# Altium PCB PCB1.PcbDoc
Units mil, origin at the board's own origin, x right, y up, seen from the top; angles counter-clockwise.
Board outline 6000 x 4000 mil, 2 copper layers (Top Layer, Bottom Layer); 14 components, 32 nets, 94 pads, 0 vias.
Unrouted connection lines stored in the file: 5.
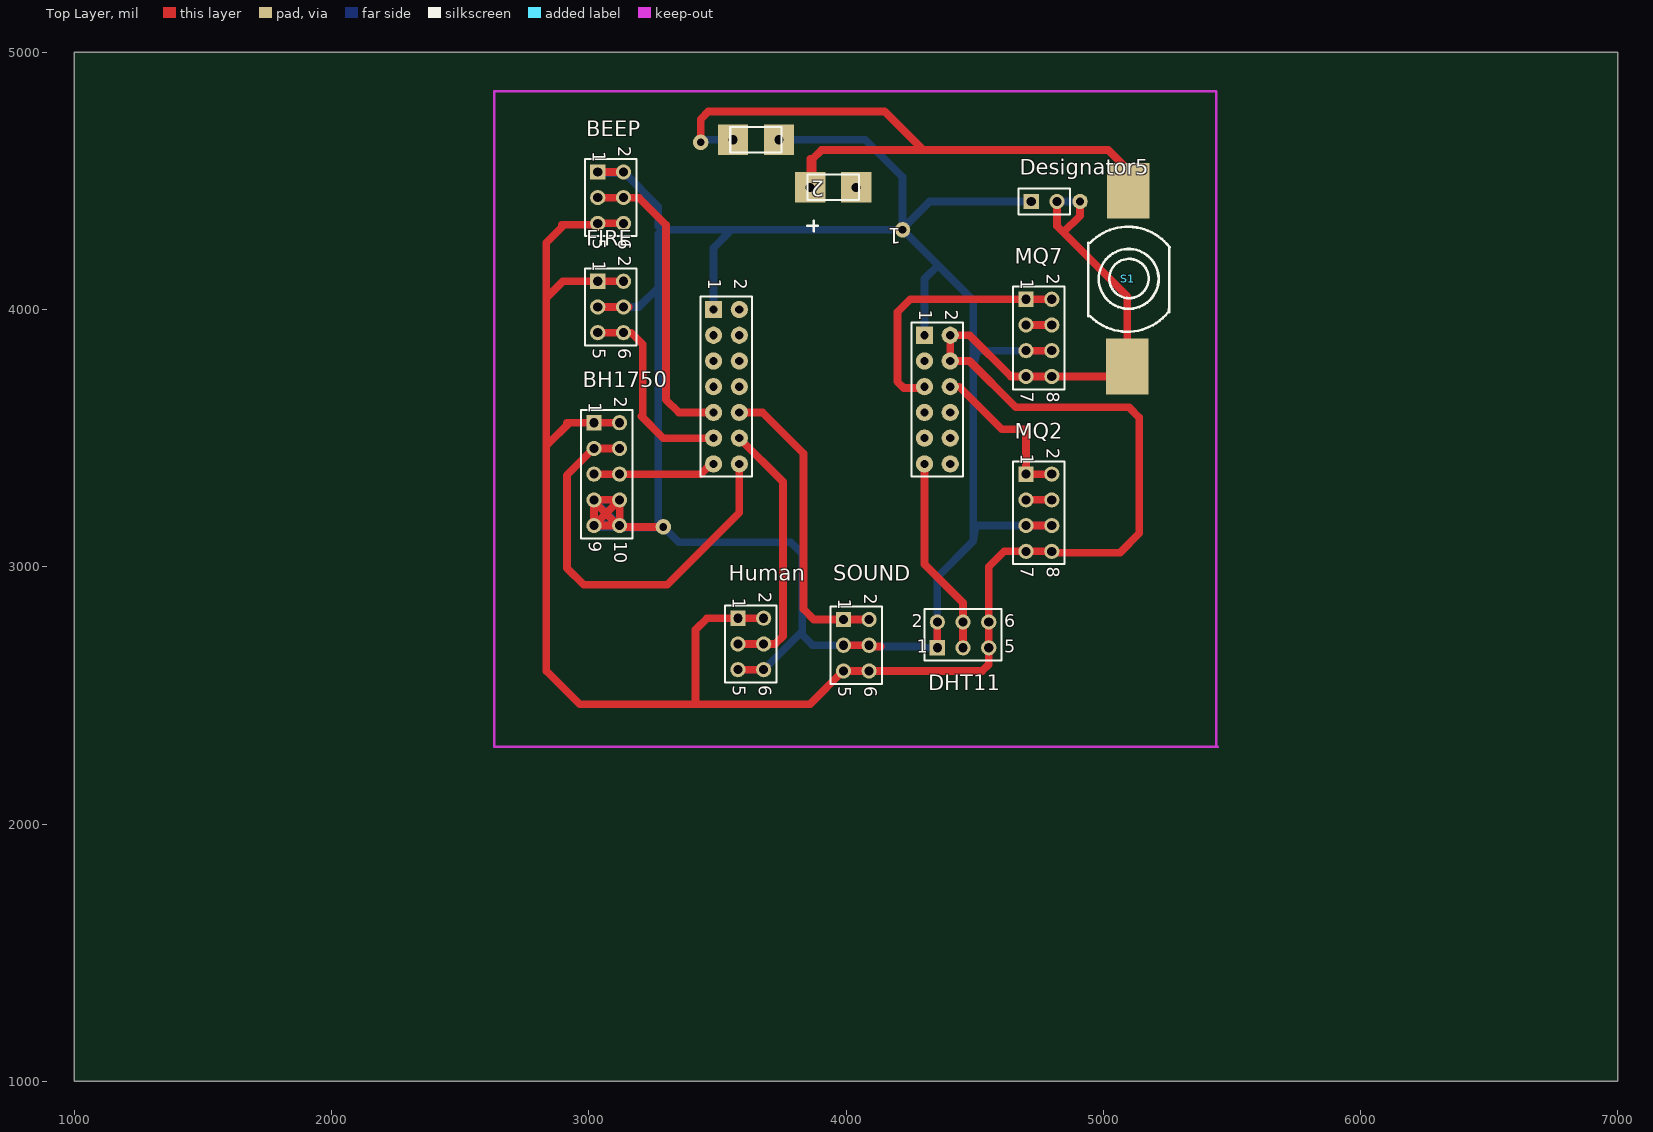
[diagram p0: Top Layer view]
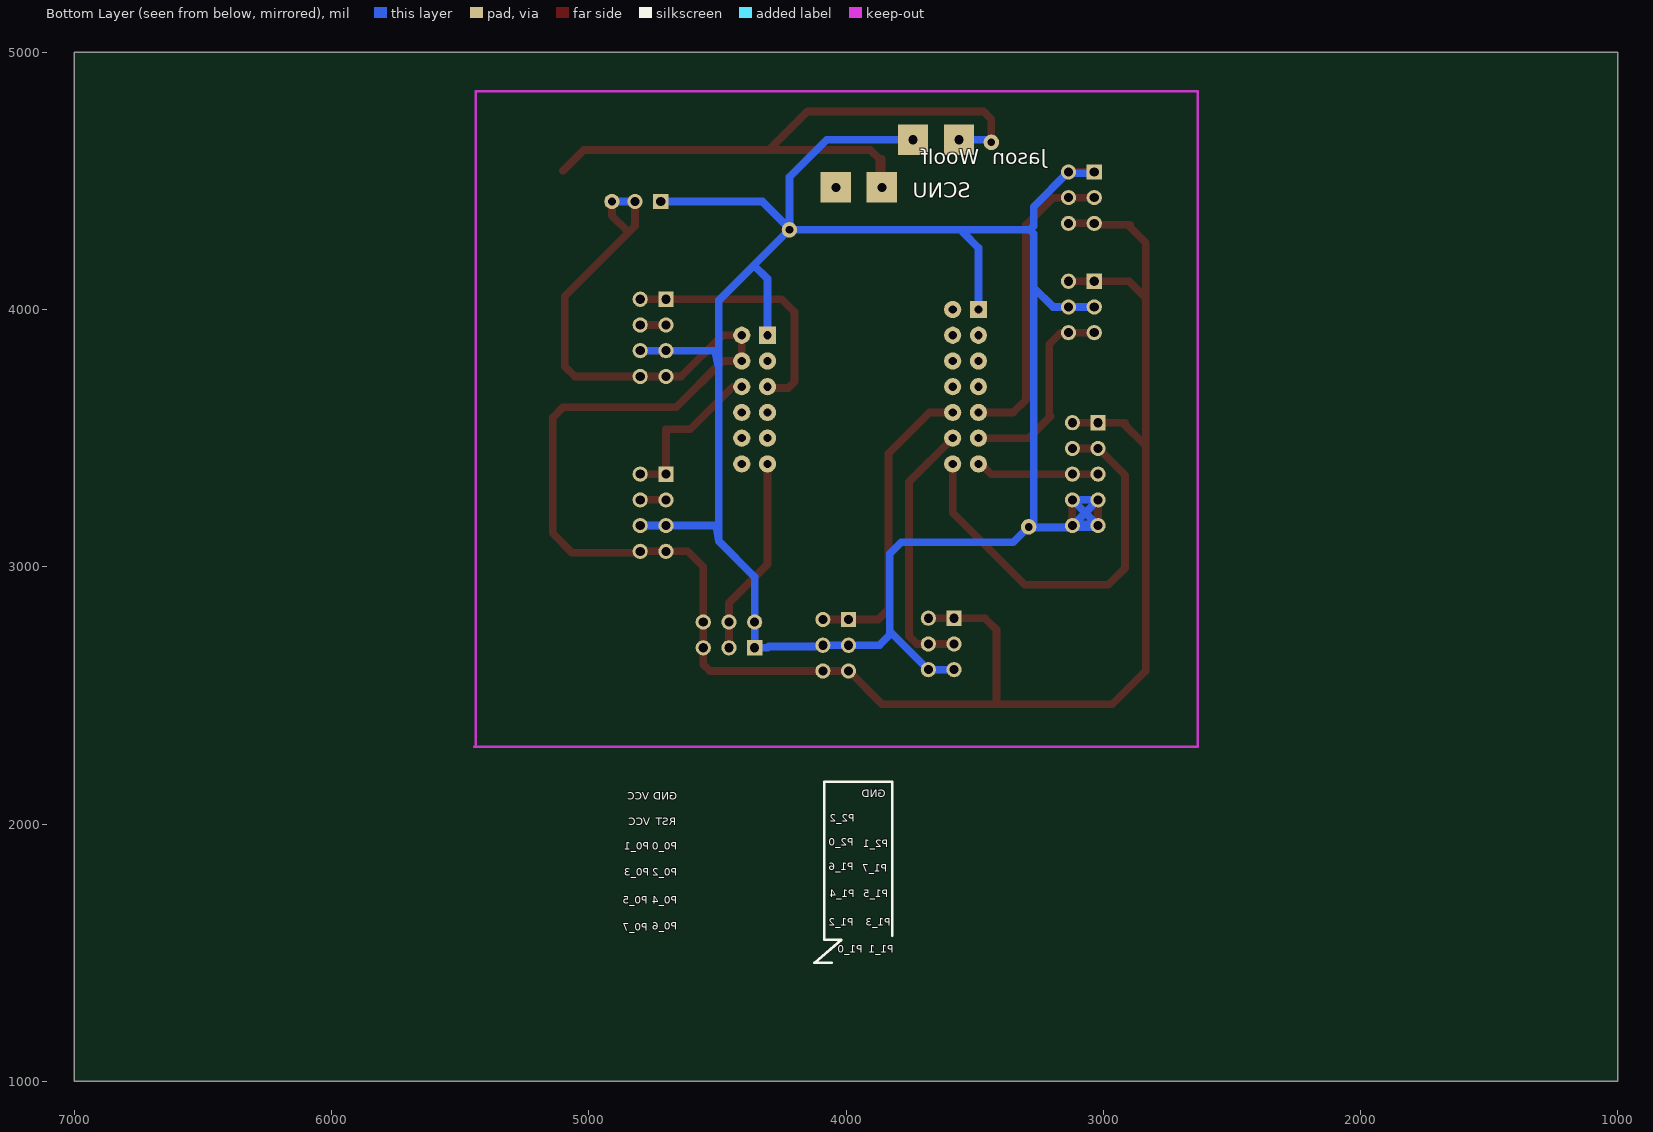
[diagram p1: Bottom Layer view, seen from below]

## Layer stack, top to bottom
Top Layer: signal copper 1.4
Dielectric: dielectric 12.6, FR-4, Dk 4.8
Bottom Layer: signal copper 1.4

## Board outline
1000,1000 7000,1000 7000,5000 1000,5000

## Design rules (kind name [scope] priority, off if disabled: settings)
Clearance [All] p1 off: gap=10
ComponentClearance [All] p1: gap=10 collisioncheckmode=3 verticalgap=10
PolygonConnect GND [All] p1: connectstyle=Relief reliefconductorwidth=25 reliefentries=4 polygonreliefangle="90 Angle"
PolygonConnect [All] p2: connectstyle=Relief reliefconductorwidth=10 reliefentries=4 polygonreliefangle="90 Angle"
RoutingVias [All] p1: holewidth=28 width=50 viastyle="Through Hole" minholewidth=28 minwidth=50 maxholewidth=28 maxwidth=50
ShortCircuit [All] p1 off: allowed=FALSE
SolderMaskExpansion [All] p1: expansion=4
TestPointUsage [All] p1: valid=0 allowmultiple=FALSE
Testpoint [All] p1: side=15 testpointundercomponent=TRUE minsize=40 maxsize=100 preferedsize=60 minholesize=0 maxholesize=40 preferedholesize=32 testpointgrid=1 style=1023 order=0-112345678
UnRoutedNet [All] p1 off:
Width [All] p1: maxlimit=50 minlimit=20 preferedwidth=30
16 further rules are at their usual default settings.

## Components (designator, comment, footprint, x,y, rotation, side; value= is the part's Value field where it differs from the comment)
1 "" HDR1X2#1 4000,4475 r180 top (schematic designator 电源)
2 "" HDR1X2#1 3700,4660 r180 top (schematic designator 电源)
BEEP "Comment" HDR2X3 3035,4535 r270 top
BH1750 "Comment" HDR2X5 3020,3560 r270 top
Designator5 "Comment" HDR1X2#2 4720,4420 r0 top
DHT11 "Comment" HDR2X3 4355,2685 r0 top
FIRE "Comment" HDR2X3 3035,4110 r270 top
Human "Comment" HDR2X3 3580,2800 r270 top
JP2 "Header 2X7" HDR2-7 3485.2,4000 r270 top
JP3 "Header 2X6" HDR2-6 4305.2,3900 r270 top
MQ2 "Comment" HDR2X4 4700,3360 r270 top
MQ7 "Comment" HDR2X4 4700,4040 r270 top
S1 "SW-SPST" 手电筒开关 5100,4120 r90 top
SOUND "Comment" HDR2X3 3990,2795 r270 top

## Footprints (in the part's own frame and the unit in brackets; to place one, negate y for a bottom-side part, rotate by r counter-clockwise, add the part's x,y. Pads: shape width x height; smd on the part's side, far side on the other; paste and mask are expansions set on the pad)
HDR1X2#1 [mm] "Connector; Header; 2 Position"
  rect 3x3 hole 0.9: 1(-1,0) 2(3.54,0)
  silkscreen extent -1.27,-1.27 3.81,1.27
HDR1X2#2 [mm] "Connector; Header; 2 Position"
  rect 1.5x1.5 hole 0.9: 1(0,0)
  round 1.5 hole 0.9: 2(2.54,0)
  silkscreen extent -1.27,-1.27 3.81,1.27
HDR2-6 [mm]
  rect 1.7x1.7 hole 0.8: 1(0,0)
  round 1.7 hole 0.8: 2(0,2.54) 3(2.54,0) 4(2.54,2.54) 5(5.08,0) 6(5.08,2.54) 7(7.62,0) 8(7.62,2.54) 9(10.16,0) 10(10.16,2.54) 11(12.7,0) 12(12.7,2.54)
  silkscreen extent -1.27,-1.27 13.97,3.81
HDR2-7 [mm]
  rect 1.7x1.7 hole 0.8: 1(0,0)
  round 1.7 hole 0.8: 2(0,2.54) 3(2.54,0) 4(2.54,2.54) 5(5.08,0) 6(5.08,2.54) 7(7.62,0) 8(7.62,2.54) 9(10.16,0) 10(10.16,2.54) 11(12.7,0) 12(12.7,2.54) 13(15.24,0) 14(15.24,2.54)
  silkscreen extent -1.27,-1.27 16.51,3.81
HDR2X3 [mm] "Connector; Header; 3x2 Position"
  rect 1.5x1.5 hole 0.9: 1(0,0)
  round 1.5 hole 0.9: 2(0,2.54) 3(2.54,0) 4(2.54,2.54) 5(5.08,0) 6(5.08,2.54)
  silkscreen extent -1.27,-1.27 6.35,3.81
HDR2X4 [mm] "Connector; Header; 4x2 Position"
  rect 1.5x1.5 hole 0.9: 1(0,0)
  round 1.5 hole 0.9: 2(0,2.54) 3(2.54,0) 4(2.54,2.54) 5(5.08,0) 6(5.08,2.54) 7(7.62,0) 8(7.62,2.54)
  silkscreen extent -1.27,-1.27 8.89,3.81
HDR2X5 [mm] "Connector; Header; 5x2 Position"
  rect 1.5x1.5 hole 0.9: 1(0,0)
  round 1.5 hole 0.9: 2(0,2.54) 3(2.54,0) 4(2.54,2.54) 5(5.08,0) 6(5.08,2.54) 7(7.62,0) 8(7.62,2.54) 9(10.16,0) 10(10.16,2.54)
  silkscreen extent -1.27,-1.27 11.43,3.81
手电筒开关 [mm]
  rect 5.5x4.2 smd: 1(8.675,0.05) 2(-8.675,0.175)
  silkscreen extent -5.24,-4 5.12,4.03

## Part data
1 2: library part H-2, "Header, 2-Pin"
BEEP DHT11 FIRE Human SOUND: library part "Header 3X2"
BH1750: library part "Header 5X2"
Designator5: library part "Header 2"
JP2: "Header, 7-Pin, Dual row"
JP3: "Header, 6-Pin, Dual row"
MQ2 MQ7: library part "Header 4X2"
S1: "Single-Pole, Single-Throw Switch"

## Free pads (board coordinates)
  round 60 hole 30: 2(3290,3155) 4(4220,4310) 8(3435,4650) 9(4910,4420)

## Nets (pads, with @x,y where several pads share a name; then routed paths per layer and width w, separated by ;. In a path a pad name is that pad's centre, name@x,y a point inside that pad or via, vN(x,y) a via of type N, cw(c..) or ccw(c..) an arc to the next point about the centre after c; other vN are vias at no path point)
3.3V: JP3.2 JP3.4
"DHT11 P0.6": 
GND: BEEP.1 BEEP.2 JP2.1 JP3.1 | length 1015.8
  Bottom Layer w30: BEEP.1@3040.52,4529.48 BEEP.2@3140.52,4529.48 ; BEEP.2 3270,4400 3270,4325 3285,4310 ; JP2.1 3485.2,4240.2 3545,4300 3545,4310 ; JP3.1 4305.2,4119.18 4358.01,4171.99
"GY-30  P1_3": JP2.11
"MQ-2  P0_1": 
"MQ-7  P0_0": 
NetS1_1: 
P0_0: 
P0_1: 
P0_2: 
P0_3: 
P0_4: 
P0_5: 
P0_6: 
P0_7: 
P1_0: 
P1_1: 
P1_2: 
P1_3: 
P1_4: 
P1_5: BEEP.3 BEEP.4 JP2.9
P1_6: 
P1_7: 
P2_0: 
P2_1: 
P2_2: 
RESET: 
VCC: 
"人体热释电  HC-SR501 P1_2": JP2.12
光强BH1750SCL: JP2.14 | length 1611.5
  Top Layer w30: 3120,3460 3020,3460 2915,3355 2915,2995 2980,2930 3305,2930 3585.2,3210.2 JP2.14
光强BH1750SDA: JP2.13
"声控 P1_4": JP2.10
pads on no net: 1.1 1.2 2.1 2.2 BEEP.5 BEEP.6 BH1750.1 BH1750.2 BH1750.3 BH1750.4 BH1750.5 BH1750.6 BH1750.7 BH1750.8 BH1750.9 BH1750.10 Designator5.1 Designator5.2 DHT11.1 DHT11.2 DHT11.3 DHT11.4 DHT11.5 DHT11.6 FIRE.1 FIRE.2 FIRE.3 FIRE.4 FIRE.5 FIRE.6 Human.1 Human.2 Human.3 Human.4 Human.5 Human.6 JP2.2 JP2.3 JP2.4 JP2.5 JP2.6 JP2.7 JP2.8 JP3.3 JP3.5 JP3.6 JP3.7 JP3.8 JP3.9 JP3.10 JP3.11 JP3.12 MQ2.1 MQ2.2 MQ2.3 MQ2.4 MQ2.5 MQ2.6 MQ2.7 MQ2.8 MQ7.1 MQ7.2 MQ7.3 MQ7.4 MQ7.5 MQ7.6 MQ7.7 MQ7.8 S1.1 S1.2 SOUND.1 SOUND.2 SOUND.3 SOUND.4 SOUND.5 SOUND.6
copper on no net: | length 29929.3
  Top Layer w20: 3120,3460 3130,3450
  Top Layer w30: 2835,4035 2835,4260 2905,4330 ; 2895,4330 3030,4330 3035,4335 3135,4335 ; 2915,3560 3020,3560 3120,3560 ; 2925,3560 2835,3470 ; 3020,3260 3120,3260 ; 3020,3360 3120,3360 3435,3360 3475,3400 ; 3020,3460 3120,3460 ; 3035,3910 3135,3910 3165,3910 3210,3865 3210,3590 ; 3035,4010 3135,4010 3155,4010 ; 3035,4435 3135,4435 3195,4435 3300,4330 3300,3650 3350,3600 3485.2,3600 ; 3035,4535 3135,4535 ; 3115,3160 3020,3255 3020,3160 ; 3125,3155 3290,3155 ; 3135,4110 3035,4110 2900,4110 2835,4045 2835,3470 ; 3205,3585 3290,3500 3485.2,3500 ; 3415,2470 3415,2755 3460,2800 3580,2800 3680,2800 ; 3435,4650 3435,4740 3465,4770 4150,4770 4300,4620 ; 3580,2600 3680,2600 ; 3580,2700 3680,2700 3725,2700 3755,2730 3755,3330.2 3585.2,3500 ; 3585.2,3600 3675,3600 3835,3440 3835,2835 3875,2795 3990,2795 ; 3860.63,4475 3860.63,4585.63 ; 3870.63,4475 3870.63,4585.63 3905,4620 5020,4620 5100,4540 ; 3990,2695 4090,2695 4095,2690 4135,2690 ; 4204.37,4310 4220,4310 ; 4300.2,3695 4225,3695 4200,3720 4200,3990 4250,4040 4700,4040 4800,4040 ; 4315,3390.2 4305,3380.2 4305,3010 4455,2860 4455,2785 4455,2685 ; 4355,2685 4355,2785 ; 4405.2,3700 4440,3700 4605,3535 4700,3535 4700,3360 4800,3360 ; 4700,3060 4800,3060 ; 4700,3160 4800,3160 ; 4700,3260 4800,3260 ; 4700,3840 4800,3840 ; 4700,3940 4800,3940 ; 4820,4420 4820,4325 5093.11,4051.89 5093.11,3778.46 5054.65,3740 4800,3740 4700,3740 4640,3740 4480,3900 4405.2,3900 4405.2,3800 4480,3800 4660,3620 5100,3620 5140,3580 5140,3130 5065,3055 4805,3055 4800,3060 ; 4845,4300 4910,4365 4910,4420 ; 2835,3470 2835,2595 2965,2465 3000,2465 3400,2465 3860,2465 3990,2595 ; 3020,3160 3120,3260 ; 3020,3160 3120,3160 3120,3260 ; 3990,2595 4090,2595 ; 3990,2595 4090,2595 ; 3990,2795 4090,2795 3990,2795 ; 4090,2595 4530,2595 4555,2620 4555,2685 4555,2785 4555,3000 4615,3060 4800,3060
  Bottom Layer w30: 3024.61,3164.61 3115.39,3164.61 3120,3160 3020,3260 3120,3260 3015,3155 3125,3155 3127.56,3152.44 3292.56,3152.44 ; 3035,4010 3135,4010 3195,4010 3270,4085 ; 3290,3155 3270,3175 ; 3445,4660 3560.63,4660 ; 3580,2600 3680,2600 3830,2750 ; 3739.37,4660 4075,4660 4220,4515 4220,4310 ; 4220,4315 4325,4420 4720,4420 ; 4495,3765 4495,4035 4220,4310 ; 4800,3160 4700,3160 4505,3160 4495,3100 ; 4800,3840 4700,3840 4510,3840 4495,3775 4495,3100 ; 4820,4420 4910,4420 ; 3270,3175 3350,3095 3785,3095 3830,3050 3830,2750 ; 3270,3175 3270,4295 3285,4310 4220,4310 ; 3830,2750 3830,2735 3870,2695 3990,2695 4090,2695 4095,2690 4300,2690 4305,2685 4355,2685 4355,2960 4495,3100

## Keep-outs
Keep-Out Layer:
  lines w10: 2633.03,2300.71 2633.03,4051.42 2633.03,4848.27 4218.07,4848.27 5440,4848.27 5440,2300.71 ; 2638.03,2300.71 5445,2300.71

## Silkscreen, mask and mechanical layers (free items; w line width, h text height)
Top Overlay:
  lines w10: 3850,4325 3890,4325 ; 3875,4305 3875,4345
Bottom Overlay:
  lines w10: 3820.2,1565 3820.2,2165 4000.2,2165 4085.2,2165 4085.2,1550 4017.7,1550 4122.7,1460 4055.2,1460
  text "Jason  Woolf" at 3220,4545 h100
  text "SCNU" at 3515,4415 h100
  text "GND" at 3845.2,2095 h50
  text "GND" at 4655.2,2085 h50
  text "VCC" at 4765.2,2085 h50
  text "P2_2" at 3965.2,2000 h50
  text "RST" at 4660.2,1985 h50
  text "VCC" at 4760.2,1985 h50
  text "P2_0" at 3970.2,1905 h50
  text "P2_1" at 3835.2,1900 h50
  text "P0_0" at 4655.2,1890 h50
  text "P0_1" at 4765.2,1890 h50
  text "P1_6" at 3970.2,1810 h50
  text "P1_7" at 3840.2,1805 h50
  text "P0_2" at 4655.2,1790 h50
  text "P0_3" at 4765.2,1790 h50
  text "P1_5" at 3835.2,1705 h50
  text "P1_4" at 3965.2,1705 h50
  text "P0_4" at 4655.2,1680 h50
  text "P0_5" at 4770.2,1680 h50
  text "P1_3" at 3825.2,1595 h50
  text "P1_2" at 3970.2,1595 h50
  text "P0_6" at 4655.2,1580 h50
  text "P0_7" at 4770.2,1575 h50
  text "P1_1" at 3815.2,1490 h50
  text "P1_0" at 3935.2,1490 h50

## Text inside footprints (layer, text, board x,y; h text height)
BEEP: Top Overlay "1" at 3015,4615 h50 r270; Top Overlay "2" at 3115,4635 h50 r270; Top Overlay "5" at 3015,4275 h50 r270; Top Overlay "6" at 3115,4275 h50 r270
BH1750: Top Overlay "2" at 3100,3660 h50 r270; Top Overlay "1" at 3000,3640 h50 r270; Top Overlay "9" at 3000,3100 h50 r270; Top Overlay "10" at 3100,3100 h50 r270
DHT11: Top Overlay "1" at 4275,2665 h50; Top Overlay "2" at 4255,2765 h50; Top Overlay "5" at 4615,2665 h50; Top Overlay "6" at 4615,2765 h50
FIRE: Top Overlay "1" at 3015,4190 h50 r270; Top Overlay "2" at 3115,4210 h50 r270; Top Overlay "5" at 3015,3850 h50 r270; Top Overlay "6" at 3115,3850 h50 r270
Human: Top Overlay "1" at 3560,2880 h50 r270; Top Overlay "2" at 3660,2900 h50 r270; Top Overlay "5" at 3560,2540 h50 r270; Top Overlay "6" at 3660,2540 h50 r270
JP2: Top Overlay "1" at 3465.2,4120 h50 r270; Top Overlay "2" at 3565.2,4120 h50 r270
JP3: Top Overlay "1" at 4285.2,4000 h50 r270; Top Overlay "2" at 4385.2,4000 h50 r270
MQ2: Top Overlay "8" at 4780,3000 h50 r270; Top Overlay "7" at 4680,3000 h50 r270; Top Overlay "1" at 4680,3440 h50 r270; Top Overlay "2" at 4780,3460 h50 r270
MQ7: Top Overlay "8" at 4780,3680 h50 r270; Top Overlay "7" at 4680,3680 h50 r270; Top Overlay "1" at 4680,4120 h50 r270; Top Overlay "2" at 4780,4140 h50 r270
SOUND: Top Overlay "1" at 3970,2875 h50 r270; Top Overlay "2" at 4070,2895 h50 r270; Top Overlay "5" at 3970,2535 h50 r270; Top Overlay "6" at 4070,2535 h50 r270